# Altium PCB Placa de gravação.PcbDoc
Units mm, origin at the board's own origin, x right, y up, seen from the top; angles counter-clockwise.
Board outline 59.5 x 38 mm, 2 copper layers (Top Layer, Bottom Layer); 5 components, 8 nets, 52 pads, 5 vias.
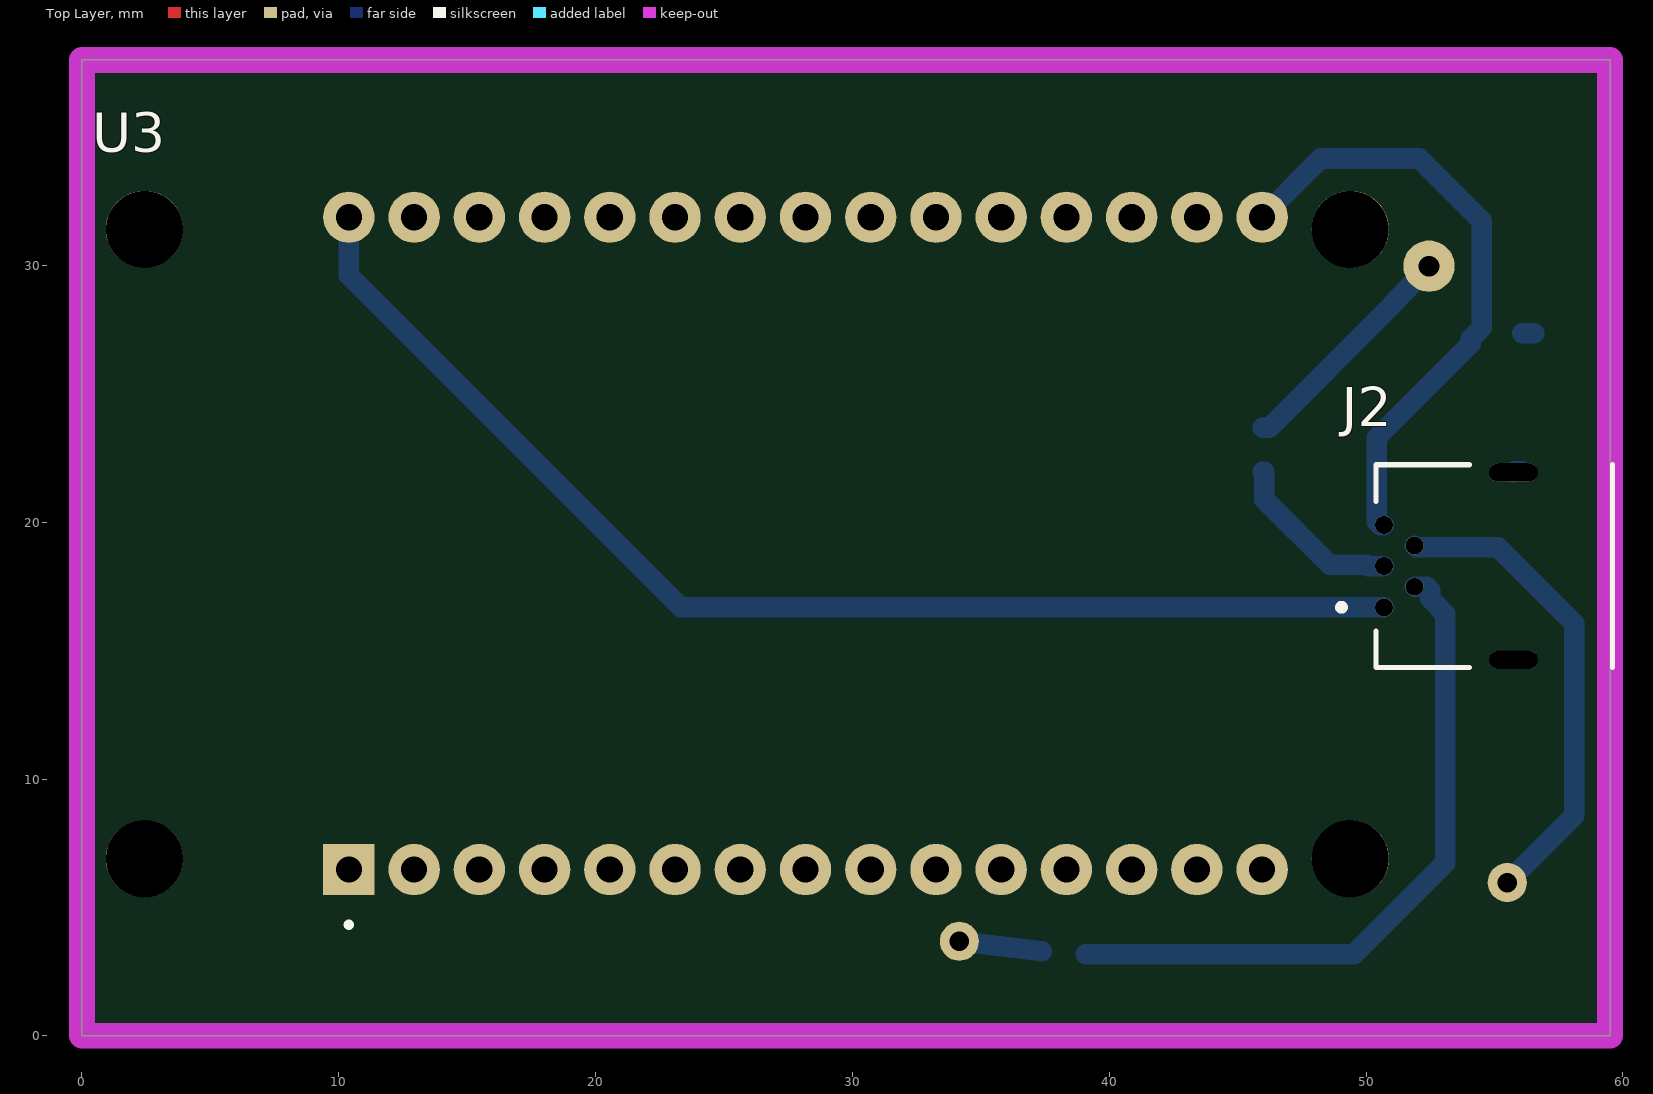
[diagram p0: Top Layer view]
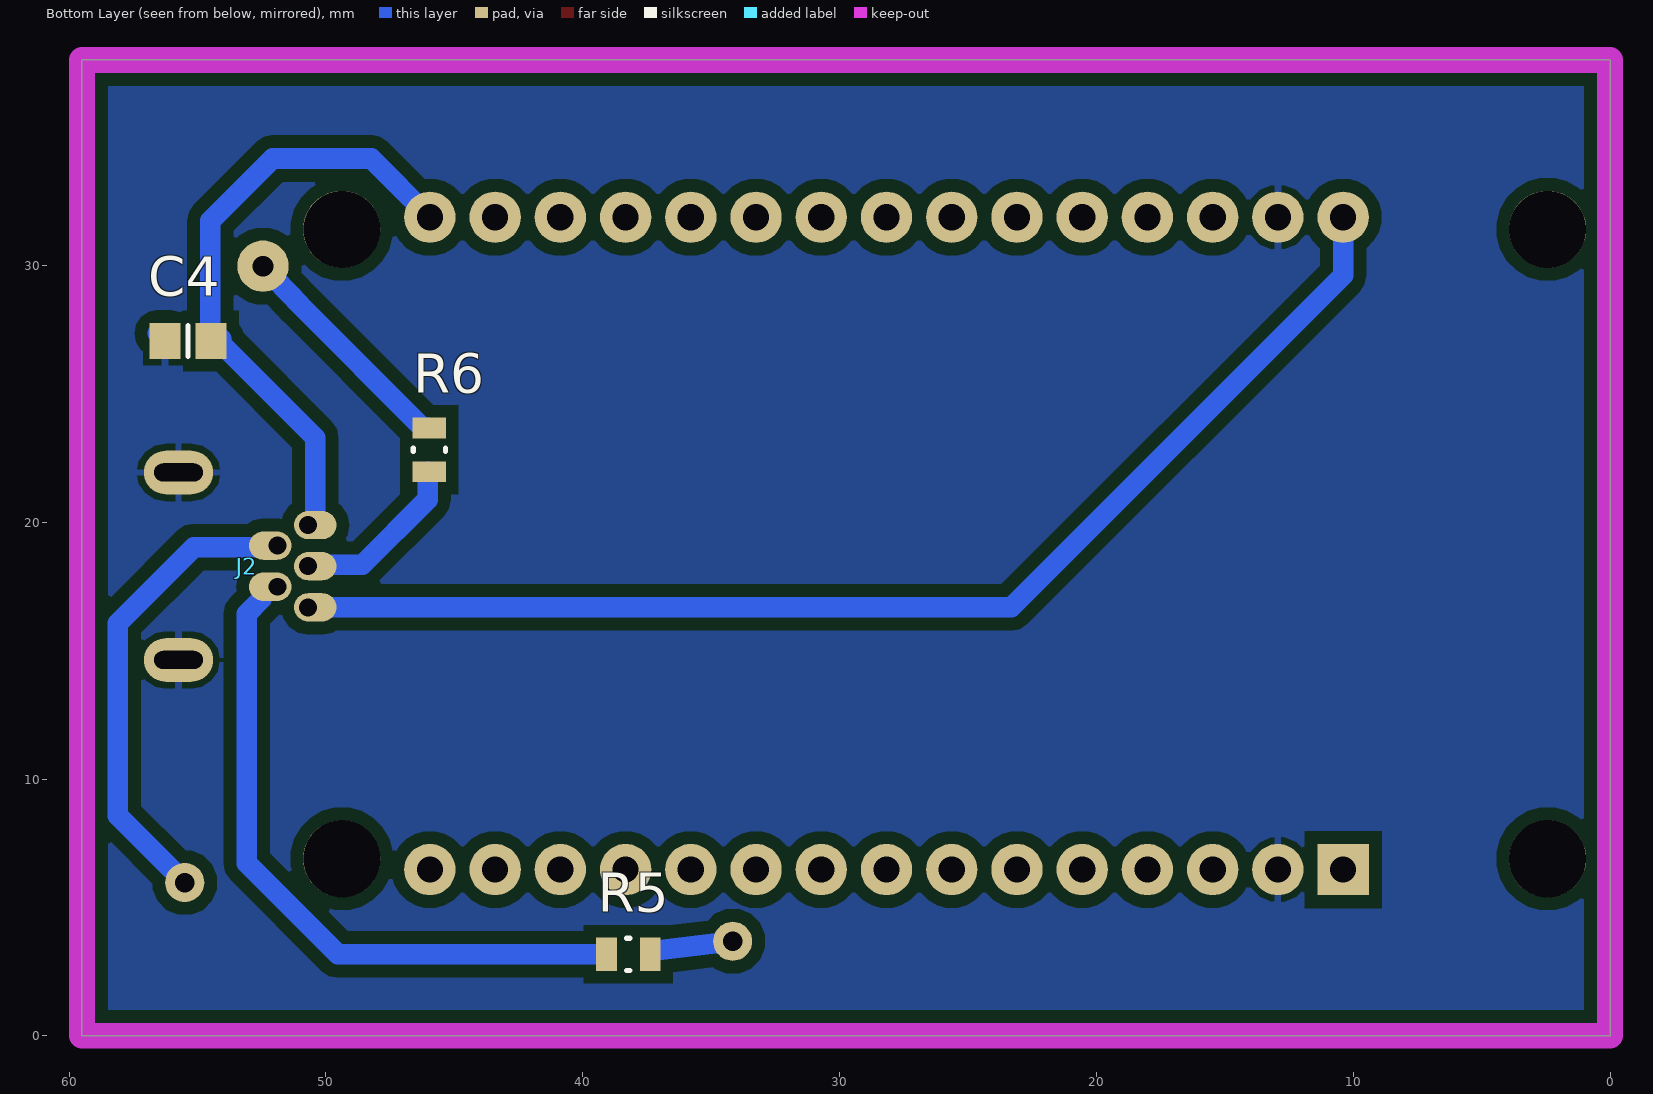
[diagram p1: Bottom Layer view, seen from below]
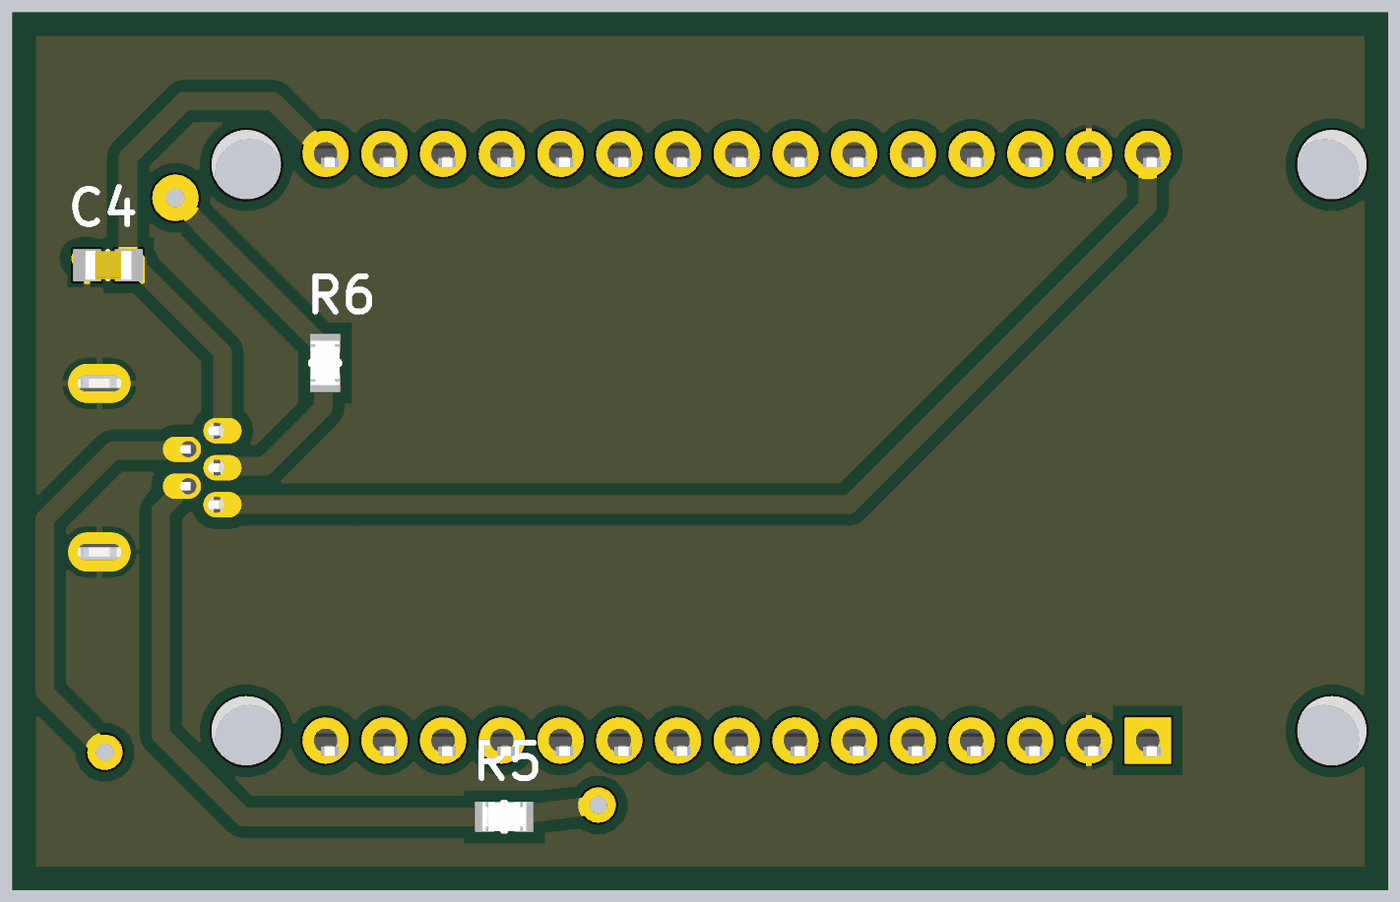
[diagram p2: 3D render of the assembled board from below, using the file's embedded part models]

## Layer stack, top to bottom
Top Solder: solder mask 0.0102, Solder Resist, Dk 3.5
Top Layer: signal copper 0.0356
Dielectric 1: dielectric 0.32, FR-4, Dk 4.8
Bottom Layer: signal copper 0.0356
Bottom Solder: solder mask 0.0102, Solder Resist, Dk 3.5

## Board outline
0,0 0,38 59.5,38 59.5,0

## Design rules (kind name [scope] priority, off if disabled: settings)
Clearance [All] p1: gap=0.5 ignorepadtopadclearanceinfootprint=FALSE
PlaneClearance [All] p1: clearance=1.016
PolygonConnect [All] p1: connectstyle=Relief reliefconductorwidth=0.254 reliefentries=4 polygonreliefangle="90 Angle" airgapwidth=0.254
RoutingVias [All] p1: holewidth=0.711 width=1.27 viastyle="Through Hole" minholewidth=0.711 minwidth=1.27 maxholewidth=0.711 maxwidth=1.27
SolderMaskExpansion [All] p1: expansion=0.102 istentingtop=FALSE
Width [All] p1: maxlimit=0.8 minlimit=0.2 preferedwidth=0.4 toplayer_minwidth=0.254 toplayer_maxwidth=0.254 toplayer_prefwidth=0.254 minimp=50.000000 maximp=50.000000 favimp=50.000000
29 further rules are at their usual default settings.

## Components (designator, comment, footprint, x,y, rotation, side; value= is the part's Value field where it differs from the comment)
C4 "10uF" C_0805 55.372,27.051 r180 bottom value=1uF
J2 "54819-0519" FP-54819-0519-MFG 54.991,18.288 r90 top
R5 "10kΩ" FP-CRCW0805-e3-IPC_C 38.227,3.175 r180 bottom
R6 "10kΩ" FP-CRCW0805-e3-IPC_C 45.974,22.822 r90 bottom
U3 "ESP32-DEVKIT-V1" MODULE_ESP32_DEVKIT_V1 22.86,19.177 r90 top

## Footprints (in the part's own frame and the unit in brackets; to place one, negate y for a bottom-side part, rotate by r counter-clockwise, add the part's x,y. Pads: shape width x height; smd on the part's side, far side on the other; paste and mask are expansions set on the pad)
C_0805 [mm] "Chip Capacitor, Body 2.0x1.2mm, IPC Medium Density"
  rect 1.2x1.4 smd: 1(-0.9,0) 2(0.9,0)
  silkscreen extent 0,-0.6 0,0.6, body extent -0.98,-0.63 1.02,0.62, height 0.8
FP-54819-0519-MFG [mm]
  rrect100% 1.1x1.65 smd far side paste-1000 mask+0: 1(-1.6,4.575) 2(-0.8,2.825) 3(0,4.575) 4(0.8,2.825) 5(1.6,4.575)
  rrect100% 0.7x1.9 hole 1.9 slot 0.7 at 0 deg paste-1000 mask+0: 6(-3.65,-0.75) 7(3.65,-0.75)
  rrect100% 1.7x2.7 smd far side paste-1000 mask+0: 6(-3.65,-0.75) 7(3.65,-0.75)
  silkscreen extent -3.95,-4.6 3.95,6.07, body extent -4.6,-4.7 4.6,5.5, height 0.25
FP-CRCW0805-e3-IPC_C [mil]
  rect 31.75x51.5 smd paste+0 mask+0: 1(-33.5,0) 2(33.5,0)
  silkscreen extent -3,-25 3,25, body extent -39,-25 39,25, height 20
MODULE_ESP32_DEVKIT_V1 [mm]
  rect 2x2 / inner round 2 / far side rect 2x2 hole 1.02: 1(-12.7,12.467)
  round 2 hole 1.02: 2(-12.7,9.927) 3(-12.7,7.387) 4(-12.7,4.847) 5(-12.7,2.307) 6(-12.7,-0.233) 7(-12.7,-2.773) 8(-12.7,-5.313) 9(-12.7,-7.853) 10(-12.7,-10.393) 11(-12.7,-12.933) 12(-12.7,-15.473) 13(-12.7,-18.013) 14(-12.7,-20.553) 15(-12.7,-23.093) 16(12.7,-23.093) 17(12.7,-20.553) 18(12.7,-18.013) 19(12.7,-15.473) 20(12.7,-12.933) 21(12.7,-10.393) 22(12.7,-7.853) 23(12.7,-5.313) 24(12.7,-2.773) 25(12.7,-0.233) 26(12.7,2.307) 27(12.7,4.847) 28(12.7,7.387) 29(12.7,9.927) 30(12.7,12.467)
  round 3 hole 3 unplated: ""(-12.28,20.427) ""(-12.28,-26.523) ""(12.23,20.427) ""(12.23,-26.523)
  silkscreen extent -14.95,12.37 -14.75,12.57, body extent -14.66,-28.39 13.84,22.54, height 16.1

## Part data
C4: library part C0805C105K4PACTU, "Cap Ceramic 1uF 16V X5R 10% SMD 0805 85C Plastic T/R", Case Code (Imperial)=0805, Case Code (Metric)=2012, Dielectric=X5R, Dielectric Material=Ceramic, Manufacturer=KEMET, Max Operating Temperature=85°C, Min Operating Temperature=-55°C, Package Quantity=2500, Tolerance=10%, Voltage=16V, Case/Package=0805, Category="Ceramic Capacitors", ComponentLink1Description=http://uk.rs-online.com/webdocs/13da/0900766b813daa10.pdf?src-supplier=Rs, ComponentLink1URL=http://uk.rs-online.com/webdocs/13da/0900766b813daa10.pdf?src-supplier=Rs, ComponentLink2Description=http://www.farnell.com/datasheets/2745930.pdf?src-supplier=Farnell, ComponentLink2URL=http://www.farnell.com/datasheets/2745930.pdf?src-supplier=Farnell, ComponentLink3Description=http://uk.rs-online.com/webdocs/13da/0900766b813daa0f.pdf?src-supplier=Rs, ComponentLink3URL=http://uk.rs-online.com/webdocs/13da/0900766b813daa0f.pdf?src-supplier=Rs, ComponentLink4Description=http://components.arrow.com/part/dataview/43037300S8313636N7429?src-supplier=Arrow+Electronics, ComponentLink4URL=http://components.arrow.com/part/dataview/43037300S8313636N7429?src-supplier=Arrow+Electronics, ComponentLink5Description=http://www.farnell.com/datasheets/2745930.pdf?src-supplier=Newark, ComponentLink5URL=http://www.farnell.com/datasheets/2745930.pdf?src-supplier=Newark, ComponentLink6Description=https://search.kemet.com/component-edge/download/datasheet/C0805C105K4PAC.pdf?src-supplier=Allied+Electronics, ComponentLink6URL=https://search.kemet.com/component-edge/download/datasheet/C0805C105K4PAC.pdf?src-supplier=Allied+Electronics, ComponentLink7Description=http://www.farnell.com/datasheets/2745930.pdf?src-supplier=Element14, ComponentLink7URL=http://www.farnell.com/datasheets/2745930.pdf?src-supplier=Element14, ComponentLink8Description=https://www.verical.com/server-webapp/html/getDatasheet?partID=127986&src-supplier=Verical, ComponentLink8URL=https://www.verical.com/server-webapp/html/getDatasheet?partID=127986&src-supplier=Verical, ComponentLink9Description=https://search.kemet.com/component-edge/download/datasheet/C0805C105K4PAC.pdf?src-supplier=Mouser, ComponentLink9URL=https://search.kemet.com/component-edge/download/datasheet/C0805C105K4PAC.pdf?src-supplier=Mouser, ComponentLink10Description=https://api.kemet.com/component-edge/download/datasheet/C0805C105K4PAC.pdf?src-supplier=Digi-Key, ComponentLink10URL=https://api.kemet.com/component-edge/download/datasheet/C0805C105K4PAC.pdf?src-supplier=Digi-Key, ComponentLink11Description=https://search.kemet.com/component-edge/download/datasheet/C0805C105K4PAC.pdf?src-supplier=Avnet, ComponentLink11URL=https://search.kemet.com/component-edge/download/datasheet/C0805C105K4PAC.pdf?src-supplier=Avnet, ComponentLink12Description=http://www.kemet.com/Lists/ProductCatalog/Attachments/19/KEM_C1006_X5R_SMD.pdf?src-supplier=Avnet, ComponentLink12URL=http://www.kemet.com/Lists/ProductCatalog/Attachments/19/KEM_C1006_X5R_SMD.pdf?src-supplier=Avnet, ComponentLink13Description=http://www.farnell.com/datasheets/1824493.pdf?src-supplier=Newark, ComponentLink13URL=http://www.farnell.com/datasheets/1824493.pdf?src-supplier=Newark, ComponentLink14Description=https://search.kemet.com/component-edge/download/datasheet/C0805C105K4PAC.pdf?src-supplier=TTI, ComponentLink14URL=https://search.kemet.com/component-edge/download/datasheet/C0805C105K4PAC.pdf?src-supplier=TTI, Construction=Flat, Depth=1.25mm, Dissipation Factor=5%, Height=1.25mm, Lead Free="Lead Free", Length=2mm, Manufacturer Part Number=C0805C105K4PACTU, Mounting Technology="Surface Mount,PCB", Packaging="Tape and Reel", Pricing="2500=0,03220, 5000=0,03190, 10000=0,03150, 25000=0,02930, 30000=0,02810, 50000=0,02590 (USD)", Radiation Hardening=No, Reach SVHC Compliant=Yes, RoHS=Yes, RoHS Compliant=Yes, Series=C0805C, Stock=30000, Supplier="Arrow Electronics", Supplier Part Number=C0805C105K4PACTU, Termination=SMD/SMT, Thickness=0.055inch, Voltage Rating=16V, Voltage Rating (DC)=16V, Width=1.2mm
J2: library part CMP-04767-000009-1, "CONN RCPT USB2.0 MINI B 5P R/A", Color=Black, Contact Resistance=50mR, Current Rating=1A, Flammability Rating="UL94 V-0", Insulation Resistance=100MR, Max Operating Temperature=50°C, Min Operating Temperature=0°C, Package Quantity=3600, Voltage Rating=30V, Connector Type=USB, Contact Material="Copper Alloy", Contact Plating=Gold, Data Rate=480Mbps, Depth=9mm, Features=Shielded, Gender=Receptacle, Housing Color=Black, Housing Material=Polyamide, Lead Free="Lead Free", Length=7.7mm, Max Current Rating=1A, Mount="Through Hole", Number of Circuits=5, Number of Contacts=5, Number of Ports=1, Number of Positions=5, Number of Rows=1, Number of Terminals/Pins=5, Orientation="Right Angle", Packaging=Tray, Pitch=0.8mm, Radiation Hardening=No, Series=54819, Termination=Solder, USB Standard="USB 2.0", Voltage Rating (DC)=30V, Width=6.9mm, Working Voltage=30V
R5 R6: library part CMP-2001-04908-2, "RES Thick Film, 10kΩ, 1%, 0.125W, 100ppm/°C, 0805", Case Code (Imperial)=0805, Case Code (Metric)=2012, Max Operating Temperature=155°C, Min Operating Temperature=-55°C, Package Quantity=5000, Power Rating=125mW, Resistance=10kR, Temperature Coefficient=100ppm/°C, Tolerance=1%, Voltage Rating=150V, Case/Package=0805, Composition="Thick Film", Contact Plating=Tin, Depth=1.25mm, Height=0.45mm, Lead Free="Lead Free", Length=2mm, Military Standard=Not, Packaging="Tape and Reel", Radiation Hardening=No, Termination=SMD/SMT, Voltage Rating (DC)=150V, Weight=0.000194oz, Width=1.25mm
U3: "Dual core, Wi-Fi: 2.4 GHz up to 150 Mbits/s,BLE (Bluetooth Low Energy) and legacy Bluetooth, 32 bits, Up to 240 MHz", Package=None, Availability="Not in stock", Check_prices=https://www.snapeda.com/parts/ESP32-DEVKIT-V1/Do+it/view-part/?ref=eda, MF="Do it", MP=ESP32-DEVKIT-V1, Price=None, SnapEDA_Link=https://www.snapeda.com/parts/ESP32-DEVKIT-V1/Do+it/view-part/?ref=snap

## Free pads (board coordinates)
  round 1.524 hole 0.762: 2(34.163,3.683) 2(55.499,5.969)
  round 2 hole 0.8: 3(52.451,29.972)

## Via types
v1: diameter 0.7, hole 0.7, Top Layer to Bottom Layer, 5 vias

## Nets (pads, with @x,y where several pads share a name; then routed paths per layer and width w, separated by ;. In a path a pad name is that pad's centre, name@x,y a point inside that pad or via, vN(x,y) a via of type N, cw(c..) or ccw(c..) an arc to the next point about the centre after c; other vN are vias at no path point)
GND: C4.1 J2.6 J2.7 U3.2 U3.29 | length 0.8
  Bottom Layer w0.8: J2.7@55.741,21.938 55.791,21.988 J2.7@56.08,21.988 ; C4.1@56.08,27.351 C4.1@56.554,27.351
GPIO0: J2.4 pad.2@55.499,5.969 | length 18.6
  Bottom Layer w0.8: v1(51.891,19.088) 51.948,19.031 55.137,19.031 58.1,16.068 58.1,8.57 pad.2@55.499,5.969
NetC4_2: C4.2 J2.5 U3.16 | length 24.2
  Bottom Layer w0.8: U3.16 48.239,34.163 52.07,34.163 54.502,31.731 54.502,27.573 54.08,27.151 54.08,27.051 54.08,26.951 50.416,23.287 50.416,20.027 50.555,19.888 v1(50.691,19.888)
NetJ2_2: J2.2 R5.1 | length 27
  Bottom Layer w0.8: R5.1 49.53,3.175 53.086,6.731 53.086,16.429 52.498,17.017 52.498,17.349 52.36,17.488 J2.2 v1(51.891,17.488)
NetJ2_3: J2.3 R6.1 | length 6.9
  Bottom Layer w0.8: R6.1 46.04,21.971 46.043,21.968 46.043,20.886 48.584,18.345 50.002,18.345 50.06,18.288 v1(50.691,18.288)
RX: pad.2@34.163,3.683 R5.2 | length 3.2
  Bottom Layer w0.8: pad.2@34.163,3.683 R5.2@37.373,3.302
TX: pad.3 R6.2 | length 9.1
  Bottom Layer w0.8: R6.2 46.225,23.673 51,28.448 pad.3
VIN: J2.1 U3.30 | length 47.9
  Bottom Layer w0.8: U3.30 10.393,29.612 23.317,16.688 J2.1 v1(50.691,16.688)
pads on no net: U3. U3.1 U3.3 U3.4 U3.5 U3.6 U3.7 U3.8 U3.9 U3.10 U3.11 U3.12 U3.13 U3.14 U3.15 U3.17 U3.18 U3.19 U3.20 U3.21 U3.22 U3.23 U3.24 U3.25 U3.26 U3.27 U3.28

## Polygon pours and split planes (outlines as drawn)
GND on Bottom Layer " " (solid, pour order 0): 0,37.973 0.009,37.982 59.499,37.982 59.499,0.002 59.5,0.002 -0.004,0.002

## Keep-outs
Keep-Out Layer:
  lines w1: 152.4,101.386 152.527,101.513 ; 0,0 0,38 59.5,38 59.5,0 0,0 ; 152.4,0.001 152.401,0.001